# KiCad board IotFan.kicad_pcb (continued)
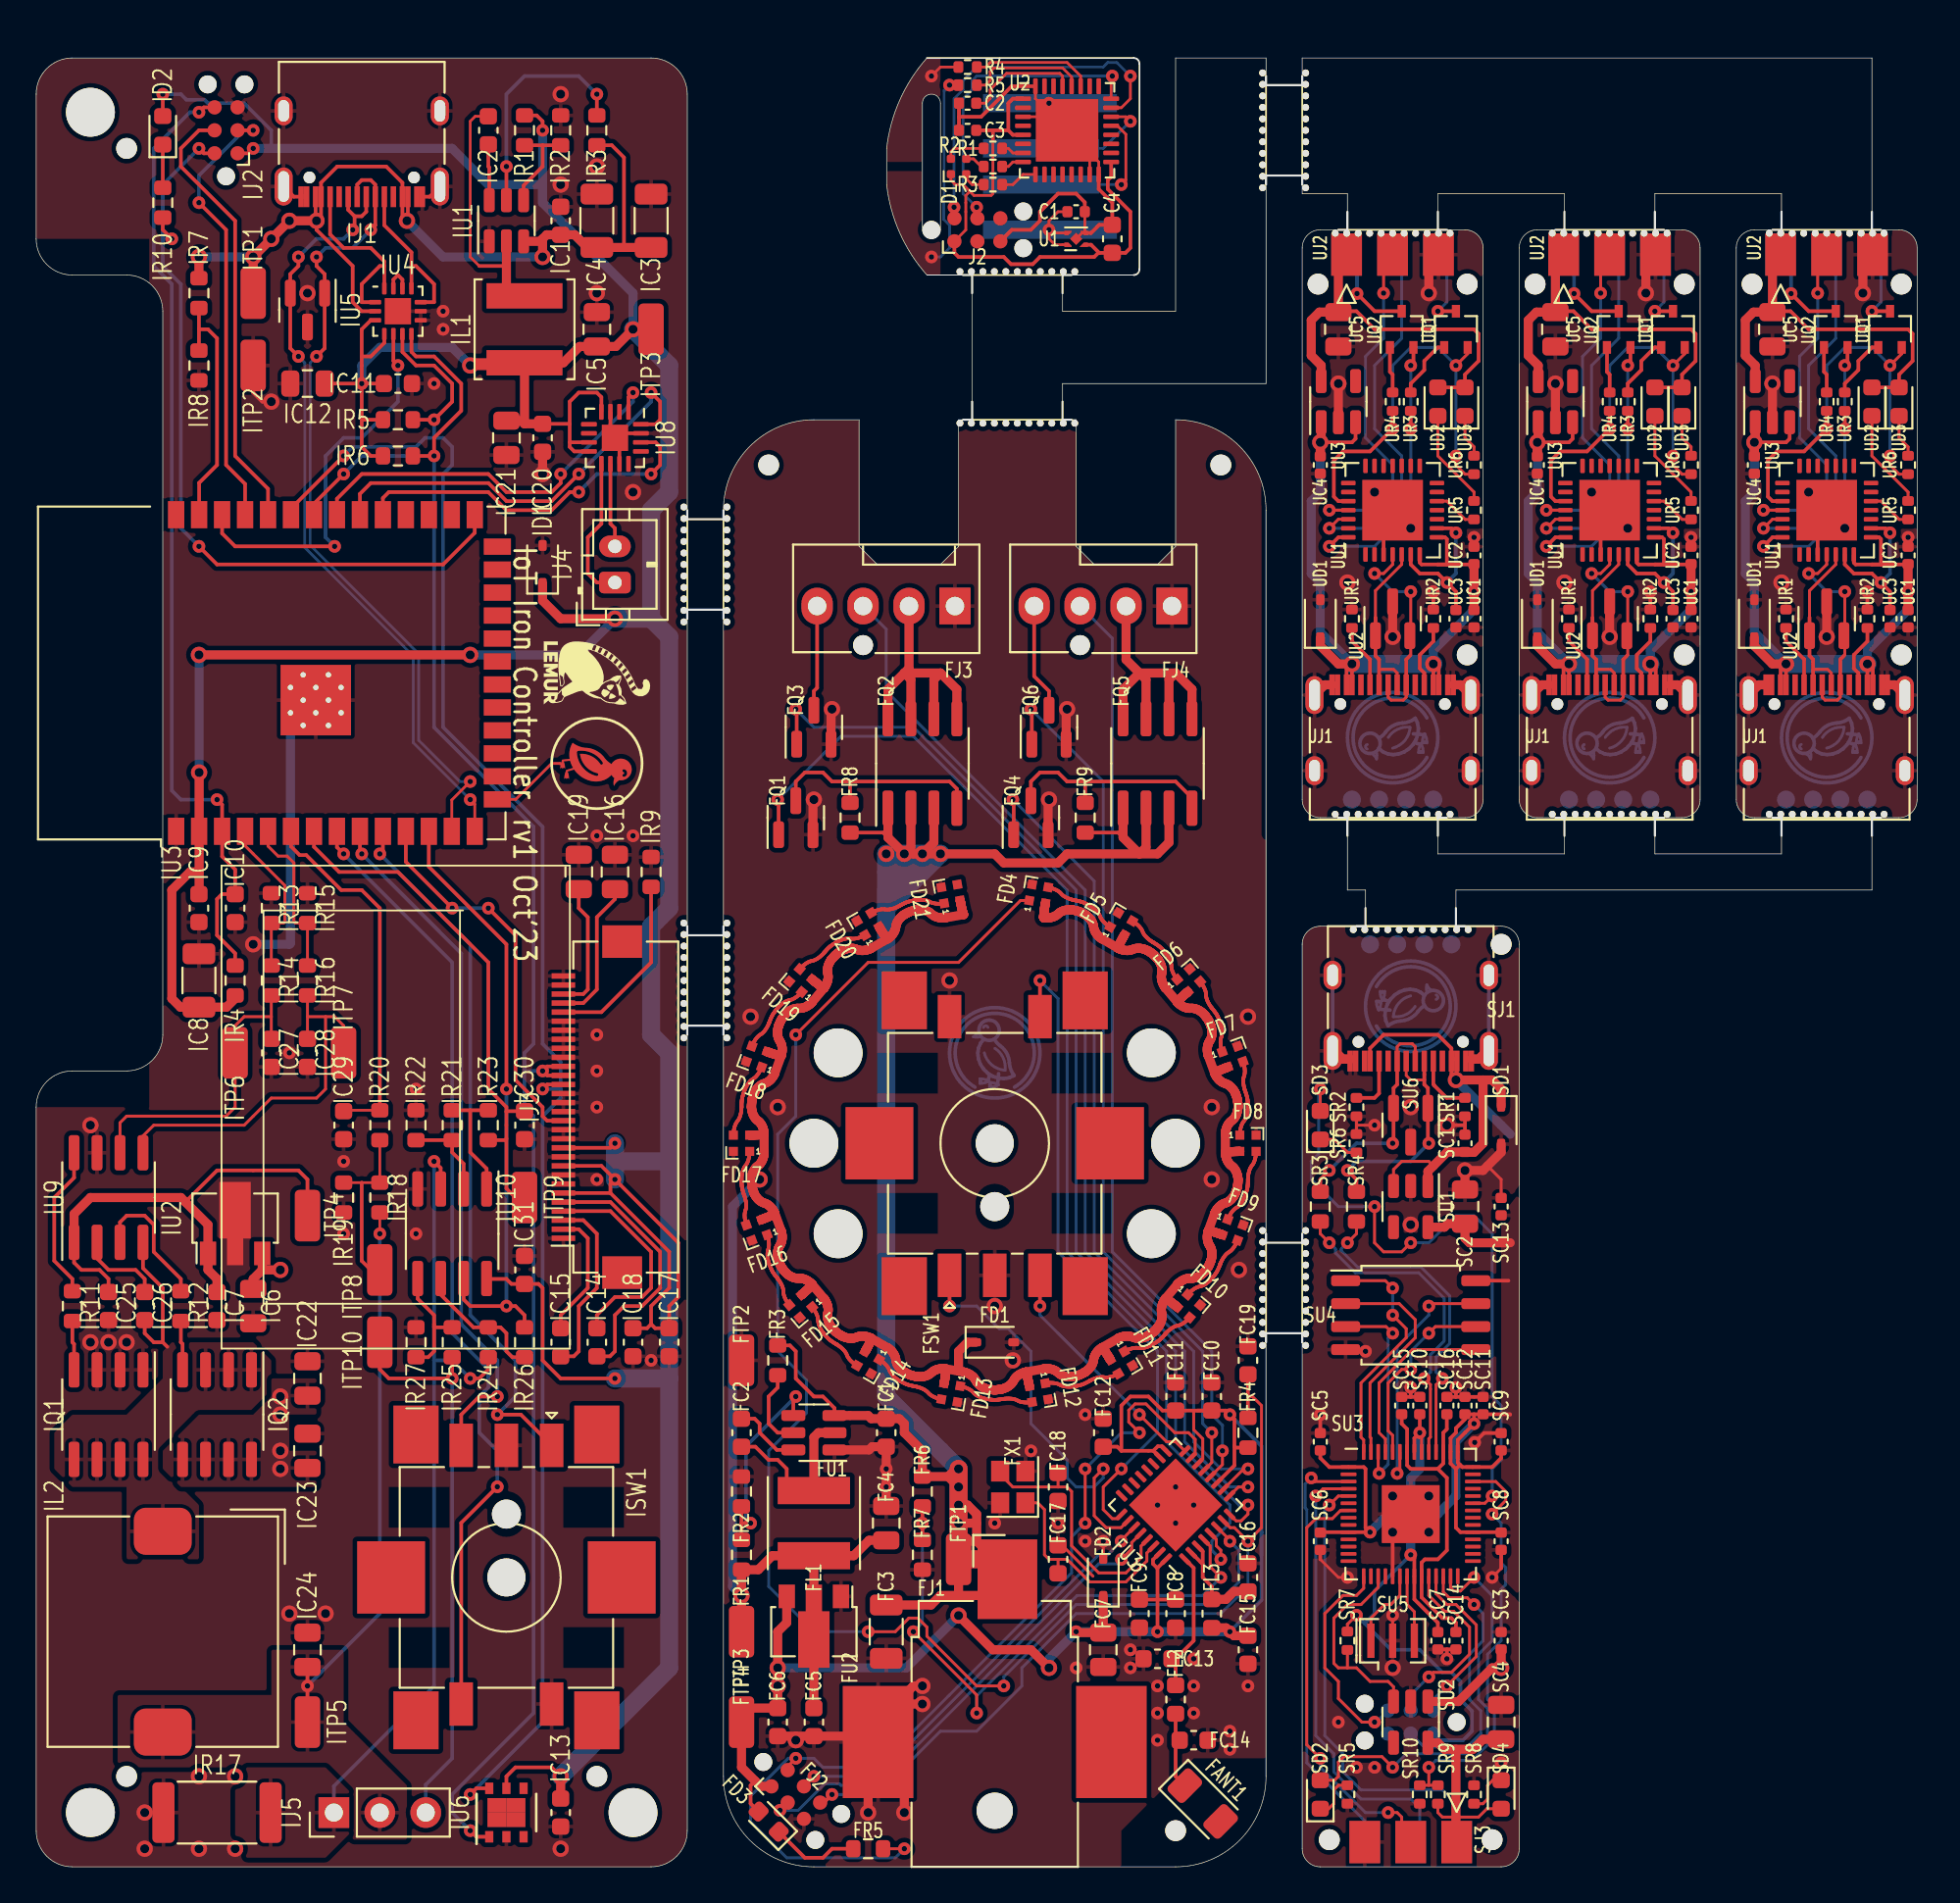
[diagram p0: board, top side]
## Routing (per net, layer and track width the routed paths; a pad name or vN(x,y) marks a point on that pad's centre or on a via; arc(x,y) is an arc through that point) (continued)
40.8,36.08 40.81,36.08 40.84,36.1 40.85,36.11 ; 40.25,40.5 40.25,39.49 40.25,39.45 40.25,39.43 40.24,39.41 40.24,39.39 40.23,39.34 40.23,39.31 40.22,39.28 40.21,39.22 40.2,39.19 40.19,39.16 40.17,39.12 40.16,39.09 40.15,39.06 40.13,39.02 40.11,38.99 40.09,38.96 40.07,38.93 40.05,38.89 40.02,38.86 40,38.83 39.97,38.8 39.93,38.78 39.87,38.72 39.83,38.7 39.81,38.67 39.78,38.64 39.75,38.61 39.73,38.57 39.71,38.54 39.69,38.51 39.67,38.48 39.65,38.44 39.64,38.41 39.63,38.38 39.61,38.34 39.6,38.31 39.59,38.28 39.58,38.22 39.57,38.19 39.57,38.16 39.56,38.11 39.56,38.09 39.55,38.07 39.55,38.03 39.55,37.97 39.55,37.96 39.55,37.94 39.55,37.91 39.55,37.89 39.55,37.88 39.55,37.86 39.55,37.85 39.56,37.74 39.56,37.72 39.56,37.7 39.57,37.63 39.58,37.62 39.58,37.59 39.59,37.56 39.59,37.55 39.6,37.53 39.61,37.5 39.61,37.47 39.62,37.45 39.63,37.41 39.64,37.39 39.66,37.34 39.66,37.32 39.67,37.31 39.67,37.3 39.67,37.29 39.68,37.27 39.69,37.26 39.69,37.24 39.7,37.23 39.72,37.19 39.72,37.18 39.74,37.15 39.76,37.11 39.78,37.08 39.81,37.03 39.83,37 39.85,36.98 39.88,36.95 39.9,36.92 39.93,36.9 39.95,36.87 39.98,36.85 40.01,36.82 40.04,36.8 40.08,36.78 40.11,36.76 40.14,36.74 40.18,36.72 40.22,36.71 40.26,36.69 40.3,36.68 40.34,36.67 40.38,36.65 40.42,36.63 40.45,36.61 40.48,36.59 40.51,36.56 40.54,36.54 40.57,36.52 40.6,36.49 40.62,36.46 40.67,36.41 40.69,36.38 40.71,36.36 40.73,36.33 40.76,36.28 40.78,36.26 40.79,36.23 40.82,36.17 40.83,36.14 40.84,36.13 40.85,36.11 40.85,36.11 ; 40.25,40.5 40.24,40.49 40.21,40.49 40.19,40.49 40.18,40.48 40.16,40.48 40.14,40.48 40.13,40.48 40.11,40.48 40.08,40.47 40.06,40.47 40.01,40.47 39.98,40.47 39.95,40.47 39.93,40.46 39.9,40.46 39.72,40.45 39.7,40.45 39.68,40.45 39.66,40.45 39.64,40.45 39.62,40.45 39.6,40.45 39.58,40.45 39.53,40.45 39.51,40.45 FD17.2 ; 63.09,47.81 63.11,47.79 63.12,47.77 63.14,47.76 63.15,47.75 63.17,47.73 63.19,47.72 63.21,47.7 63.23,47.68 63.25,47.66 63.28,47.64 63.33,47.61 63.36,47.59 63.39,47.57 63.42,47.56 63.45,47.54 63.49,47.53 63.52,47.51 63.56,47.5 63.59,47.49 63.63,47.48 63.67,47.47 63.71,47.47 63.75,47.46 63.8,47.46 63.88,47.47 63.92,47.46 63.97,47.46 64,47.45 64.04,47.45 64.08,47.44 64.12,47.43 64.16,47.41 64.19,47.4 64.22,47.39 64.26,47.37 64.29,47.35 64.32,47.33 64.38,47.3 64.4,47.28 64.43,47.26 64.45,47.25 64.47,47.23 64.49,47.21 64.51,47.19 64.53,47.18 64.54,47.17 64.55,47.15 64.58,47.12 64.6,47.1 64.61,47.09 64.65,47.04 64.66,47.03 64.67,47.01 64.72,46.94 64.73,46.93 64.74,46.92 64.75,46.91 64.76,46.89 64.77,46.88 64.78,46.85 64.8,46.83 64.81,46.82 64.81,46.81 64.83,46.78 64.85,46.74 64.86,46.71 64.87,46.69 64.88,46.66 64.89,46.63 64.91,46.59 64.94,46.53 64.95,46.5 64.95,46.49 64.96,46.47 64.97,46.44 64.97,46.41 64.98,46.39 64.99,46.35 65,46.32 65,46.26 65.01,46.2 65.01,46.17 65.01,46.14 65.01,46.1 65.01,46.06 65.01,46.03 65,45.99 65,45.95 64.99,45.92 64.98,45.88 64.97,45.84 64.96,45.8 64.94,45.77 64.92,45.73 64.91,45.69 64.88,45.66 64.86,45.62 64.84,45.58 64.82,45.55 64.81,45.51 64.79,45.47 64.78,45.43 64.77,45.39 64.77,45.36 64.76,45.32 64.76,45.28 64.75,45.25 64.75,45.21 64.75,45.17 64.75,45.14 64.76,45.08 64.77,45.02 64.77,44.99 64.78,44.94 64.78,44.92 64.79,44.88 64.8,44.87 64.8,44.85 64.81,44.83 65.15,43.89 ; 63.09,47.81 62.45,48.58 62.43,48.6 62.42,48.61 62.41,48.62 62.39,48.65 62.37,48.69 62.34,48.74 62.33,48.77 62.31,48.79 62.3,48.82 62.29,48.85 62.27,48.88 62.26,48.92 62.25,48.95 62.24,48.98 62.23,49.02 62.22,49.06 62.22,49.09 62.21,49.13 62.21,49.17 62.21,49.21 62.21,49.25 62.22,49.3 62.22,49.34 62.24,49.42 62.25,49.46 62.25,49.5 62.25,49.54 62.25,49.58 62.25,49.62 62.25,49.66 62.24,49.7 62.22,49.77 62.21,49.81 62.2,49.84 62.19,49.87 62.18,49.91 62.16,49.94 62.14,49.99 62.11,50.04 62.08,50.08 62.07,50.1 62.04,50.15 62.03,50.16 62.02,50.17 61.97,50.24 61.95,50.26 61.94,50.27 61.88,50.34 61.86,50.35 61.85,50.36 61.81,50.41 61.77,50.44 61.76,50.44 61.75,50.45 61.72,50.48 61.68,50.51 61.67,50.52 61.61,50.55 61.6,50.56 61.59,50.57 61.56,50.59 61.55,50.59 61.53,50.61 61.5,50.62 61.49,50.63 61.47,50.64 61.46,50.65 61.44,50.66 61.42,50.67 61.41,50.67 61.39,50.68 61.37,50.69 61.35,50.7 61.31,50.72 61.28,50.72 61.22,50.74 61.16,50.76 61.09,50.77 61.06,50.78 60.98,50.78 60.95,50.78 60.91,50.78 60.87,50.78 60.83,50.78 60.79,50.77 60.75,50.76 60.71,50.75 60.67,50.74 60.63,50.72 60.59,50.7 60.55,50.69 60.51,50.68 60.47,50.67 60.43,50.66 60.39,50.66 60.36,50.66 60.32,50.66 60.28,50.66 60.21,50.66 60.17,50.67 60.14,50.67 60.1,50.68 60.04,50.7 59.98,50.72 59.96,50.72 59.91,50.74 59.89,50.75 59.86,50.77 59.82,50.78 59.81,50.79 ; 63.09,47.81 63.1,47.83 63.11,47.85 63.13,47.87 63.14,47.88 63.16,47.9 63.22,47.96 63.25,47.99 63.27,48.01 63.31,48.05 63.33,48.06 63.37,48.1 63.43,48.15 63.44,48.17 63.51,48.23 63.53,48.24 63.54,48.26 63.56,48.27 63.57,48.28 63.59,48.29 63.6,48.3 63.63,48.33 63.65,48.35 63.65,48.35 63.67,48.36 ; 43.55,48.58 43.55,48.58 43.53,48.59 43.5,48.61 43.48,48.62 43.46,48.63 43.45,48.64 43.42,48.66 43.39,48.68 43.37,48.7 43.31,48.74 43.28,48.76 43.26,48.77 43.24,48.79 43.22,48.81 43.18,48.84 43.12,48.88 43.09,48.91 43.07,48.92 43.05,48.94 43.02,48.96 43.01,48.97 42.95,49.02 42.93,49.04 42.92,49.04 42.91,49.05 FD19.2 ; FL1.2 FU2.2 FC5.1 ; FL1.2 40.7,17.2 39.92,16.42 FR1.1 ; FL1.2 45.2,17.2 46.05,18.05 FC4.1 ; 42.91,32.19 42.9,32.17 42.89,32.15 42.87,32.13 42.86,32.12 42.84,32.1 42.78,32.04 42.75,32.01 42.73,31.99 42.69,31.95 42.67,31.94 42.63,31.9 42.57,31.85 42.56,31.83 42.49,31.77 42.47,31.76 42.46,31.74 42.44,31.73 42.43,31.72 42.41,31.71 42.4,31.7 42.37,31.67 42.35,31.65 42.35,31.65 42.33,31.64 ; 42.91,32.19 42.89,32.21 42.88,32.23 42.86,32.24 42.85,32.25 42.83,32.27 42.81,32.28 42.79,32.3 42.77,32.32 42.75,32.34 42.72,32.36 42.67,32.39 42.64,32.41 42.61,32.43 42.58,32.44 42.55,32.46 42.51,32.47 42.48,32.49 42.44,32.5 42.41,32.51 42.37,32.52 42.33,32.53 42.29,32.53 42.25,32.54 42.2,32.54 42.12,32.53 42.08,32.54 42.03,32.54 42,32.55 41.96,32.55 41.92,32.56 41.88,32.57 41.84,32.59 41.81,32.6 41.78,32.61 41.74,32.63 41.71,32.65 41.68,32.67 41.62,32.7 41.6,32.72 41.57,32.74 41.55,32.75 41.53,32.77 41.51,32.79 41.49,32.81 41.47,32.82 41.46,32.83 41.45,32.85 41.44,32.86 41.42,32.88 41.4,32.9 41.39,32.91 41.35,32.96 41.34,32.97 41.33,32.99 41.3,33.03 41.28,33.06 41.27,33.07 41.26,33.08 41.25,33.09 41.24,33.11 41.23,33.12 41.22,33.15 41.2,33.17 41.19,33.18 41.19,33.19 41.17,33.22 41.15,33.26 41.14,33.29 41.13,33.31 41.12,33.34 41.11,33.37 41.09,33.41 41.07,33.45 41.06,33.48 41.05,33.5 41.05,33.51 41.04,33.53 41.03,33.56 41.03,33.59 41.02,33.61 41.01,33.65 41,33.68 41,33.74 40.99,33.8 40.99,33.83 40.99,33.86 40.99,33.9 40.99,33.94 40.99,33.97 41,34.01 41,34.05 41.01,34.08 41.02,34.12 41.03,34.16 41.04,34.2 41.06,34.23 41.08,34.27 41.09,34.31 41.12,34.34 41.14,34.38 41.16,34.42 41.18,34.45 41.19,34.49 41.21,34.53 41.22,34.57 41.23,34.61 41.23,34.64 41.24,34.68 41.24,34.72 41.25,34.75 41.25,34.79 41.25,34.83 41.25,34.86 41.24,34.92 41.23,34.98 41.23,35.01 41.22,35.06 41.22,35.08 41.21,35.12 41.2,35.13 41.2,35.15 40.85,36.11 ; 64.81,35.17 64.81,35.17 64.82,35.17 64.83,35.17 64.84,35.17 64.88,35.16 64.89,35.16 64.9,35.16 64.92,35.15 64.93,35.15 64.95,35.14 64.98,35.14 65,35.13 65.03,35.12 65.05,35.12 65.07,35.11 65.1,35.1 65.12,35.09 65.2,35.07 65.22,35.06 65.27,35.05 65.3,35.04 65.32,35.03 65.36,35.02 65.42,35 65.46,34.98 65.47,34.98 65.49,34.97 65.52,34.96 65.53,34.96 65.56,34.95 FD9.2 ; 64.81,35.17 64.8,35.15 64.8,35.13 64.79,35.12 64.78,35.08 64.78,35.03 64.77,35.01 64.76,34.95 64.76,34.92 64.75,34.86 64.75,34.83 64.75,34.79 64.75,34.75 64.76,34.72 64.76,34.68 64.77,34.64 64.77,34.61 64.78,34.57 64.79,34.53 64.81,34.49 64.82,34.45 64.84,34.42 64.86,34.38 64.88,34.34 64.91,34.31 64.92,34.27 64.94,34.23 64.96,34.2 64.97,34.16 64.98,34.12 64.99,34.08 65,34.05 65,34.01 65.01,33.97 65.01,33.94 65.01,33.9 65.01,33.86 65.01,33.83 65.01,33.8 65,33.74 65,33.68 64.99,33.65 64.98,33.61 64.97,33.59 64.97,33.56 64.96,33.53 64.95,33.51 64.94,33.49 64.94,33.47 64.92,33.43 64.91,33.41 64.89,33.37 64.88,33.34 64.87,33.31 64.86,33.29 64.83,33.23 64.82,33.21 64.81,33.19 64.81,33.18 64.8,33.17 64.78,33.15 64.77,33.12 64.76,33.11 64.75,33.09 64.74,33.08 64.73,33.07 64.72,33.06 64.67,32.99 64.66,32.97 64.62,32.93 64.6,32.9 64.58,32.88 64.56,32.86 64.55,32.85 64.54,32.83 64.53,32.82 64.51,32.81 64.49,32.79 64.47,32.77 64.45,32.75 64.43,32.74 64.4,32.72 64.38,32.7 64.32,32.67 64.29,32.65 64.26,32.63 64.22,32.61 64.19,32.6 64.16,32.59 64.12,32.57 64.08,32.56 64.04,32.55 64,32.55 63.97,32.54 63.92,32.54 63.88,32.53 63.8,32.54 63.75,32.54 63.71,32.53 63.67,32.53 63.63,32.52 63.59,32.51 63.56,32.5 63.52,32.49 63.49,32.47 63.45,32.46 63.42,32.44 63.39,32.43 63.36,32.41 63.33,32.39 63.28,32.36 63.25,32.34 63.23,32.32 63.21,32.3 63.19,32.28 63.17,32.27 63.15,32.25 63.14,32.24 63.12,32.23 63.11,32.21 63.09,32.19 62.45,31.42 ; 62.45,31.42 62.45,31.42 62.47,31.41 62.5,31.39 62.52,31.38 62.54,31.37 62.55,31.36 62.58,31.34 62.61,31.32 62.63,31.3 62.69,31.26 62.72,31.24 62.74,31.23 62.76,31.21 62.78,31.19 62.82,31.16 62.88,31.12 62.91,31.09 62.93,31.08 62.95,31.06 62.98,31.04 62.99,31.03 63.05,30.98 63.07,30.96 63.08,30.96 63.09,30.95 FD10.2 ; 59.81,50.79 59.81,50.81 59.82,50.84 59.83,50.85 59.83,50.86 59.84,50.89 59.85,50.91 59.86,50.92 59.88,50.97 59.9,51.02 59.91,51.04 59.92,51.06 59.94,51.09 59.96,51.14 59.98,51.18 60.01,51.23 60.02,51.25 60.03,51.27 60.04,51.29 60.05,51.31 60.08,51.36 60.11,51.41 60.14,51.47 60.15,51.48 60.16,51.51 ; FR1.1 v1(39,15) ; FR1.1 FTP3.1
  Back w0.5: v1(39,15) 38.5,15.5 38.5,36.5 v1(40,38)
Fv12: length 133.6
  Front w0.2: FR3.1 41.67,28.83 42,28.5 42,27 43,26 43.5,26 44.14,25.36 FU1.3 ; 47.09,56.91 46.83,57.17 FR8.1 ; 60.09,56.91 59.83,57.17 FR9.1
  Front w0.5: FC3.1 49.47,14.47 50,15 51,15 ; 52.5,14 52.5,15 ; 52.5,15 51,15 ; 52.5,15 52.5,16 ; 50.42,21.58 50.85,22 v1(51,22) v1(51,21) ; 50.42,21.58 v1(51,21) ; 50.42,21.58 FR6.1 49,23 48,24 48,24.5 47.72,24.78 FC1.1 46.17,24.78 46,24.95 FU1.3 ; FQ2.1 47.09,56.91 v1(48,56) ; 51,15 v1(51,19) ; FTP1.1 52.5,17 ; v1(48,56) 48.36,56.36 FQ2.2 ; v1(48,56) 48.5,56 ; 61,56 61.36,56.36 FQ5.2 ; 61,56 60.09,56.91 FQ5.1 ; 61,56 57,56 56.5,55.5 53.5,55.5 53,56 48.5,56 ; 61,56 62,56 62.64,56.64 FQ5.3 ; v1(51,19) 52,19 ; v1(51,19) v1(51,20) ; v1(51,21) v1(51,20) ; v1(51,20) 51.5,20 52,19.5 52,18 ; 48.5,56 v1(49,56) 49.64,56.64 FQ2.3 ; 52,18 51,18 ; 52,18 53,17 ; FJ1.1 52.9,15.9
  Front w1: 52,17 FTP1.1 v1(51,22)
  Back w1: 47,55 v1(48,56) ; 47,55 v1(47,56) v1(50,56) 47,53 ; 47,55 47,53 ; 47,53 47,26 v1(51,22) v1(51,19) ; 47,53 47,54 v1(49,56) ; v1(51,21) v1(51,20)
Fv12_sense.output: length 33.6
  Front w0.16: v2(48.5,13) 52,9.5 v2(52,8.5) ; v2(65.5,16) 64.91,16.59 64.91,17.74 FU3.4
  Front w0.2: FR7.1 FR6.2
  Back w0.16: v2(48.5,13) 49,13.5 v2(49,19) ; v2(52,8.5) 52,9.45 57.55,15 64.5,15 v2(65.5,16)
Iconv.sw.driver.ic.hb: length 4.7
  Front w0.2: IU9.2 3.37,33.64 4,33 5.5,33 6,32.5 IC26.1
Iconv.sw.high_gate_res.a: length 7.6
  Front w0.2: IU9.3 4.63,35.64 5,36 6,36 6.5,35.5 6.5,34 8,32.5 IR12.1
Iconv.sw.high_gate_res.b: length 2.7
  Front w0.2: IR12.2 8,29 8.09,28.91 IQ2.4
Iconv.sw.low_gate_res.a: length 8.5
  Front w0.2: IR11.1 2,32.5 1,33.5 1,37 2.09,38.09 IU9.8
Iconv.sw.low_gate_res.b: length 2.7
  Front w0.2: IR11.2 2,29 2.09,28.91 IQ1.4
Iconv.sw.out: length 8.3
  Front w0.2: 7,29 7.25,28.75 ; 7,29 6.5,29 6,29.5 IC26.2 ; 7,29 7,32 5.91,33.09 IU9.4
Iconv_out: length 30.9
  Front w0.15: IR18.1 v2(19,35)
  Front w0.2: ITP5.1 IC24.1
  Back w0.2: v2(15,10) 19,14 v2(19,35)
Ienc.a: length 39.5
  Front w0.2: v2(19,56) 19.17,56.17 IU3.10 ; v2(25.5,25) 26.8,25 ISW1.A
  Back w0.2: v2(19,56) 24,51 24,30.5 26.5,28 26.5,26 v2(25.5,25)
Ienc.b: length 38.5
  Front w0.2: v2(25.5,26) 24.5,26 23.5,25 ISW1.B ; IU3.9 17.9,56.1 v2(18,56)
  Back w0.2: v2(25.5,26) 25.5,28 23.5,30 23.5,50.5 v2(18,56)
Ienc.sw: length 53.2
  Front w0.2: v2(17,56) 16.63,56.37 IU3.8 ; ISW1.S1 23.5,19.01 v2(25.5,21.01)
  Back w0.2: v2(25.5,21.01) 25.5,23 25.5,23 24.5,24 24.5,26 25,26.5 25,27.5 23,29.5 23,50 v2(17,56)
Ignd: length 24
  Front w0.2: IJ1.A12 14.24,92.33 IJ1.S1 ; IU8.15 32.5,79.25 ; v1(13,81) 12.5,81 12,81.5 ITP2.1 ; IU8.3 31.75,79.5 ; IJ1.A1 21.75,92.33 IJ1.S1 ; IU8.11 32.25,78.5
  Front w0.5: v1(28,77) IC20.2
  Back w0.5: IU3.41 14.06,51.06 14,51 v1(12,51)
  vias: v1(3,41) v1(3,29) v1(4,29) v1(5,29) v1(6,3) v1(6,1) v1(9,5) v1(9,1) v1(11,5) v1(11,1) v1(14,14) v1(15,87) v1(16,14) v1(29,98) v1(29,93) v1(29,1) v1(31,94) v1(31,87) v1(33,76) v2(14,45) v2(17,39) v2(17,35) v2(21,43) v2(21,35) v2(22,82) v2(22.5,86) v2(22.5,85) v2(31,57) v2(31,46) v2(31,44) v2(31,42) v2(31,38) v2(33,57) v2(34,28)
Ihigh_pull.io: length 9
  Front w0.16: IR16.1 IR15.2 14.33,52.17 14.25,52.25 14.25,55.5 13.88,55.88 13.38,55.88 12.82,56.43 IU3.5
Ihigh_rc.output: length 22.2
  Front w0.16: 15,47 IC28.1 ; 15,47 IR16.2 ; 15,47 16,47 ; 16,47 16,43 15.5,42.5 13,42.5 11.5,41 6.5,41 5.91,40.41 IU9.5 ; 16,47 16.5,47 17,46.5 ITP7.1
Ii2c_pull.i2c.scl: length 102.7
  Front w0.2: v2(24,4) 24.34,4.34 IU6.6 ; v2(17,78) 14.09,75.09 ; IR5.2 v2(22,80) 23,81 23,82 22,83 21,83 20.25,83.75 IU4.6 ; IJ3.18 28.25,43.25 v2(28,43)
  Back w0.2: 29,43 29,42.5 28,41.5 28,8 v2(24,4) ; 29,43 29,44.5 28,45.5 28,57.5 22.5,63 22.5,77 23,77.5 23,78.5 22.5,79 22,79 ; 29,43 v2(28,43) ; 22,79 v2(22,80) ; 22,79 21.5,79 21,78.5 17.5,78.5 v2(17,78)
Ii2c_pull.i2c.sda: length 104.2
  Front w0.2: IU6.1 24.34,1.66 v2(24,2) ; IR6.2 v2(22,78) 22,79 23.5,80.5 23.5,82 22,83.5 21,83.5 20.75,83.75 IU4.7 ; v2(17,77) 15.36,75.36 ; IJ3.20 28.25,44.25 v2(28,44) 28.25,43.75 IJ3.19
  Back w0.2: v2(24,2) 23,3 23,4 27.5,8.5 27.5,41.5 27,42 27,44.5 ; 27,44.5 27,45 27.5,45.5 27.5,57.5 22,63 v2(22,78) 18,78 v2(17,77) ; 27,44.5 27,44 v2(28,44)
Iifilt.output: length 6.7
  Front w0.2: IR21.1 24,41.83 ; 24,41.83 IR23.1 ; 24,41.83 24,39.5 24.91,38.59 IU10.1
Iisense.pwr_out: length 44.3
  Front w0.2: v2(24,27) 24.5,27 25,27.5 IR24.1 ; IU10.3 22.36,38.64 v2(22,39)
  Back w0.2: IJ5.1 16.46,4.46 22,10 22,28 ; 22,28 v2(22,39) ; 22,28 23,28 v2(24,27)
Iledr.res.a: length 2.4
  Front w0.2: ID2.1 IR10.1
Ilow_pull.io: length 9
  Front w0.16: IU3.4 11.55,56.45 13.75,54.25 13.75,52.25 13.67,52.17 IR13.2 IR14.1
Ilow_rc.output: length 17.5
  Front w0.16: 13,47 IC27.1 ; 13,47 IR14.2 ; 13,47 11.5,47 11,46.5 ITP6.1 11,42 10.5,41.5 5,41.5 4.63,41.14 IU9.6
Imcu.program_boot_node: length 43.9
  Front w0.2: IR10.2 7,90.5 v2(7.5,90) ; IJ2.2 9.27,94.73 v2(9,95) ; IU3.27 24.25,73.75 22.5,72 10,72 v2(9,73)
  Back w0.2: v2(7.5,90) 7,90 ; 7,90 7,93 v2(9,95) ; 7,90 7,88.5 8,87.5 8,74 v2(9,73)
Imcu.program_en_node: length 53.8
  Front w0.2: IJ2.6 9.27,97.27 v2(9,97) ; IR4.2 11,50.5 10,51.5 10,53.5 10.27,53.78 IC10.1 11,55.14 10.28,55.86 IU3.3 10.28,58.72 v2(10,59)
  Back w0.2: v2(9,97) 8.5,97 6.5,95 6.5,88.5 7.5,87.5 7.5,59.5 8,59 v2(10,59)
Imcu.program_uart_node.a_tx: length 24.6
  Front w0.2: IU3.37 11.55,76.45 10.5,77.5 10.5,90.5 v2(9,92) ; 11.27,96 v2(12,96)
  Back w0.2: v2(9,92) 9,93.5 11.5,96 v2(12,96)
Imcu.program_uart_node.b_tx: length 24.7
  Front w0.2: IU3.36 12.82,76.18 11,78 11,91 8,94 8,95 9,96 10,96
Ioled.c1_cap.neg: length 14.7
  Front w0.2: IC14.2 31.72,28.22 32,28.5 32,30.5 32.5,31 33.5,31 34.5,32 34.5,34 31.75,36.75 IJ3.5
Ioled.c1_cap.pos: length 12.1
  Front w0.2: IJ3.4 31.75,36.25 34,34 34,32 33.5,31.5 32,31.5 31,30.5 IC14.1
Ioled.c2_cap.neg: length 10.2
  Front w0.2: IC15.2 29.72,28.22 30,28.5 30,31 31,32 31,35 30.25,35.75 IJ3.3
Ioled.c2_cap.pos: length 7.2
  Front w0.2: IJ3.2 30,35.25 30.5,34.75 30.5,32 29,30.5 IC15.1
Ioled.device.vcc: length 7.2
  Front w0.2: IJ3.28 30.25,48.25 30.5,48.5 30.5,52.5 30,53 IC19.1
Ioled.device.vcomh: length 8.1
  Front w0.2: IJ3.27 30.25,47.75 31,48.5 31,52.5 32,53.5 IC16.1
Ioled.iref_res.a: length 10.2
  Front w0.2: IJ3.26 31.25,47.25 34,50 IR9.1
Ioled.reset: length 21.3
  Front w0.2: v2(25,53) 26.5,51.5 26.5,43.5 28,42 28,41.5 28.25,41.25 IJ3.14 ; IU3.11 20.44,55.56 v2(23,53)
  Back w0.2: v2(23,53) v2(25,53)
Ipacked_opamp.inn.0: length 5
  Front w0.2: IR22.1 IR21.2 23,39.5 23.64,38.86 IU10.2
Ipacked_opamp.inn.1: length 7.5
  Front w0.2: IR26.2 26.33,28.17 26,28.5 26,29.5 25.67,29.83 IR24.2 24.17,29.83 22.36,31.64 IU10.6
Ipacked_opamp.inp.1: length 6.7
  Front w0.2: 22,30 22,30.5 21.09,31.41 IU10.5 ; 22,30 22,28.5 21.67,28.17 IR27.2 ; 22,30 22,29.83 IR25.2
Ipd.ic.vconn: length 1.7
  Front w0.2: IU4.12 20.25,87.75 20,88 19.75,87.75 IU4.13
Ipd.int: length 21.8
  Front w0.2: v2(20,83) 19.75,83.25 IU4.5 ; IU3.38 10.28,73.72 11,73 v2(16.5,73)
  Back w0.2: v2(20,83) 20,81 18,79 17,79 16,78 16,73.5 v2(16.5,73)
Ireg_3v3.boot_cap.neg: length 13.7
  Front w0.15: 24.5,88.5 24,89 24,96.5 24.28,96.78 IC2.2
  Front w0.2: 24.5,88.5 26,88.5
  Front w0.5: IU1.2 26,87
Ireg_3v3.boot_cap.pos: length 3.1
  Front w0.2: IC2.1 25,94 25.05,93.95 IU1.6
Ireg_3v3.en_res.b: length 12.9
  Front w0.2: IR3.2 v2(31,98) ; v2(26,94) IU1.5
  Back w0.2: v2(31,98) 30,99 27,99 26,98 v2(26,94)
Ireg_3v3.fb.output: length 5.5
  Front w0.2: IU1.4 26.95,92.95 28,94 28,95.17 ; 28,95.17 IR1.2 ; 28,95.17 IR2.1
Ispk_drv.i2s.sck: length 23.6
  Front w0.2: IU8.16 34.25,79.75 34.5,80 34.5,81 v2(34,81.5) ; v2(30,77) 28.5,75.5 26.01,75.5 25.01,76.5 18.5,76.5 17.9,75.9 IU3.32
  Back w0.2: v2(30,77) 34,81 v2(34,81.5)
Ispk_drv.i2s.sd: length 22.3
  Front w0.2: v2(33,81.5) 32.75,81.25 IU8.1 ; IU3.33 16.63,75.63 18,77 25,77 26,76 28.5,76 29,76.5 v2(29,77)
  Back w0.2: v2(29,77) 33,81 v2(33,81.5)
Ispk_drv.i2s.ws: length 20
  Front w0.2: v2(30,76) 29.5,76 28.5,75 26,75 25,76 19.5,76 19.17,75.67 IU3.31 ; IU8.14 34.25,78.75 34.5,78.5 34.5,77.5 v2(34,77)
  Back w0.2: v2(34,77) 31,77 v2(30,76)
Ispk_drv.out.a: length 8.1
  Front w0.2: IJ4.1 31,71 30.5,71.5 30.5,73.5 31.25,74.25 IU8.9
Ispk_drv.out.b: length 4.7
  Front w0.2: IU8.10 31.75,74.25 32,74 IJ4.2
Itamp.input_positive: length 31.5
  Front w0.2: IR25.1 v2(23,27) 19.5,27 19,27.5 ITP10.1
  Back w0.2: IJ5.3 21.54,4.54 23,6 v2(23,27)
Itamp.output: length 33.6
  Front w0.2: IU3.12 21.71,55.29 26,51 v2(26,43) ; IU10.7 23.64,31.36 24,31 v2(26,31) 26.5,31 27,30.5 IR26.1
  Back w0.2: v2(26,31) v2(26,43)
Itouch_0: length 4.3
  Front w0.15: IU3.15 26.52,59.02 28.5,61 28.95,61 28.98,60.98
Itp_i.output: length 29.3
  Front w0.2: 26,40.25 26,37.5 26.5,37 ITP9.1 ; 26,40.25 25.92,40.17 IR23.2 ; 26,40.25 26,41.75 ; IC30.1 26.03,41.78 26,41.75 ; IU3.7 15.36,56.39 16.75,55 20,55 25,50 25,43 26,42 26,41.75
Iusb.A5: length 9.1
  Front w0.2: 20.75,88.5 20.75,89.25 19.25,90.75 IJ1.A5 ; 20.75,88.5 21,88.5 22,87.5 22,86.5 IU4.10 ; 20.75,88.5 IU4.11
Iusb.B5: length 10.6
  Front w0.2: 19.25,88.5 19.25,88.75 18.5,89.5 17,89.5 16.25,90.25 IJ1.B5 ; 19.25,88.5 19,88.5 18,87.5 18,86.5 IU4.1 ; 19.25,88.5 IU4.14
Iusb_chain_0.d_N: length 44.8
  Front w0.15: IU3.13 22.98,58.98 v2(24,60)
  Front w0.2: v2(15.5,83.5) 15.95,83.95 IU5.1 15.95,88.05 15.5,88.5 v2(15.5,89) ; v2(18.5,90.5) 18.75,90.75 IJ1.B7 18.75,93 18.5,93.25 18,93.25 17.75,93 IJ1.A7
  Back w0.15: v2(24,60) 23.42,60 21.15,62.27 21.15,67.06 15.15,73.06 15.15,83.15 v2(15.5,83.5)
  Back w0.2: v2(15.5,89) 16,89.5 17.5,89.5 v2(18.5,90.5)
Iusb_chain_0.d_P: length 43.4
  Front w0.15: IU3.14 24.25,58.75 v2(24,59)
  Front w0.2: 17.61,91.25 18,91.25 18.25,91.5 IJ1.A6 ; 17.61,91.25 17.25,91.6 IJ1.B6 ; 17.61,91.25 17.61,90.6 v2(17.5,90.5) ; v2(14.5,89) 14.5,88.5 14.05,88.05 IU5.2 14.05,83.95 v2(14.5,83.5)
  Back w0.15: v2(24,59) 20.85,62.15 20.85,66.94 14.85,72.94 14.85,83.15 v2(14.5,83.5)
  Back w0.2: v2(14.5,89) 15.5,90 17,90 v2(17.5,90.5)
Iv3v3: length 289.4
  Front w0.2: 29.5,79.75 29.5,81 30,81.5 31,81.5 31.25,81.25 IU8.4 ; 29.5,79.75 29.47,79.78 IC20.1 ; 29.5,79.75 29.5,78.75 ; IU4.4 19.25,84.25 18.5,83.5 18,83.5 ; IR1.1 27.67,96.83 28,96.5 v2(28,96) ; IJ3.11 31.75,39.75 v2(32,40) ; v2(7,98) ID2.2 ; 18,83.5 v2(18,82) ; 18,83.5 18,85 18.5,85.5 ; v2(18,82) IC12.1 ; v2(18,82) 18,80 ; v2(18,82) IC11.1 ; IC18.1 33.78,29.78 34,30 ; IU8.8 29.75,78.25 29.5,78.5 29.5,78.75 ; 18,80 18,78.5 18.5,78 IR6.1 ; 18,80 IR5.1 ; v2(32,38) 31.75,37.75 31.75,37.25 ; 34,30 34.22,29.78 IC17.1 35,31 35.5,31.5 35.5,34.5 31.25,38.75 IJ3.9 ; 34,30 34,31 35,32 35,34 31.75,37.25 ; IU8.7 29.5,78.75 ; 31.75,37.25 IJ3.6 ; 11.27,94.73 11.73,94.73 v2(12,95) ; v1(29,5) 28.5,5.5 26.5,5.5 26,5 IU6.5 ; v2(32,27) 29,27 28,28 28,32 27.78,32.22 IC31.1 26.28,32.22 26,32.5 24.93,32.5 IU10.8
  Front w0.5: v1(9,67) v1(24,67) ; v1(9.01,60.5) IU3.2 9.01,53.78 ; 27,79.78 IC20.1 ; 27,79.78 26.83,79.95 IC21.1 ; 27,79.78 IL1.2 ; IL1.2 29.15,83.15 30.05,84.05 IC5.1 32.05,84.05 v1(33,85) ITP3.1 ; IL1.2 24.15,83.15 v1(24,83) 25.85,83 ; IC13.1 v1(29,5) ; v1(32,69) 29,69 28,70 ID1.1 ; 11,48 10.52,47.53 IC8.1 7.98,47.53 7.5,48 7.5,54 8.5,55 9.01,55
  Back w0.2: 13,95 13,96 11.5,97.5 9.5,97.5 9.31,97.69 8.31,97.69 8,98 v2(7,98)
  Back w0.5: 28,92 v2(28,96) ; 28,92 33,87 v1(33,85) ; 28,92 28,93 25,93 23,95 v2(12,95) ; v1(32,69) 30,67 v1(24,67) ; v1(9.01,60.5) 9.01,66.99 v1(9,67) ; v1(24,83) 23,84 19,84 18,83 v2(18,82)
  Back w1: v2(32,38) 32,39 ; 32,39 v2(32,40) ; 32,39 35,39 ; 34,69 v1(32,69) ; 34,69 35,68 35,53 34,52 34,46 35,45 35,39 ; 34,69 34,75 35,76 35,83 v1(33,85) ; 35,27 35,11 v1(29,5) ; 35,27 35,39 ; 35,27 v2(32,27)
Ivfilt.output: length 20.3
  Front w0.15: IR20.2 17.05,41.83
  Front w0.2: IU3.6 14.09,56.41 14.57,55.93 14.93,55.93 16.87,54 18,54 19,53 IR20.2
Ivgate: length 27.7
  Front w0.2: ITP4.1 15,38 14.5,38.5 10,38.5 8.25,36.75 ; IU9.1 2.09,33.41 2.5,33 3.5,33 4,32.5 IC25.1
  Front w0.5: IU9.1 2.09,36.09 3,37 8,37 9.5,35.5 IU2.1 9.5,33 10,32.5 IC7.1
Ivsense.output: length 9.9
  Front w0.15: IR19.1 IR18.2 IR20.1
  Front w0.2: ITP8.1 18.5,33 18,33.5 18,37.83
Ivusb: length 55.9
  Front w0.2: IR3.1 31.83,95.17 32.5,94.5 32.5,89.53 ; IJ1.A4 20.55,91.05 v1(20.5,91) 20.25,91.25 IJ1.B9 20.25,93.1 19.36,94 16.65,94 15.75,93.1 IJ1.B4 15.75,91.25 v1(15.5,91) ; v1(15.5,91) 15.5,90.5 17.5,88.5 17.5,86.5 18,86 IU4.2 ; v1(15.5,91) 15.45,91.05 IJ1.A9
  Front w0.5: IU1.3 27.86,89.86 28,90 ; 28,90 v1(28,89) ; 28,90 28.22,90.22 IC1.1 29.78,90.22 30.47,89.53 ; IC3.1 IC4.1 ; ITP1.1 v1(12,89) v1(14,91) v1(15.5,91) ; v1(9,89) IR7.1 ; IU2.3 12.5,33 ; 12.5,33 v1(13.5,33) ; 12.5,33 12,32.5 IC6.1
  Back w0.5: v1(28,89) 22.5,89 v1(20.5,91) ; v1(12,89) v1(9,89)
  vias: v1(13,90) v1(13.5,26) v1(13.5,25) v1(13.5,23) v1(13.5,22)
Ivusb_sense.output: length 13.7
  Front w0.2: 9,85 9.5,85 10,84.5 10,77.5 9.01,76.51 IU3.39 ; 9,85 IR7.2 ; 9,85 IR8.1
mcu.swd_node.swclk: length 17.3
  Front w0.15: U2.24 59.44,98.94 v2(59.5,99) ; v2(52,91.75) 52.04,91.71 J2.4
  Back w0.15: v2(59.5,99) 52,99 51.75,98.75 51.75,98.25 51.25,97.75 51.25,92.5 v2(52,91.75)
mcu.swd_node.swdio: length 20.3
  Front w0.15: v2(50.75,91.75) 50.77,91.73 J2.2 ; v2(60.5,99) 60.5,97.75 60,97.25 U2.23
  Back w0.15: v2(60.5,99) 59.75,99.75 59.25,99.75 59,99.5 52,99.5 51.25,98.75 51.25,98.25 50.75,97.75 v2(50.75,91.75)
rgb.blue_res.a: length 1.3
  Front w0.15: D1.4 51.42,93.33 51.75,93 R3.1
rgb.green_res.a: length 1.1
  Front w0.15: D1.3 51.83,94.42 52.25,94 R2.1
rgb.red_res.a: length 2.3
  Front w0.15: D1.2 50.58,94.83 50.75,95 R1.1
rgb.signals.blue: length 2.1
  Front w0.15: R3.2 54,93 54.56,93.56 U2.9
rgb.signals.green: length 1.3
  Front w0.15: U2.8 54,94.25 53.75,94 R2.2
rgb.signals.red: length 1.3
  Front w0.15: R1.2 53.75,95 54,94.75 U2.7
Sen_pull.io: length 11.9
  Front w0.16: 72.5,11 73,11 73.75,10.25 74.75,10.25 75.05,9.95 SU2.3 ; 72.5,11 72,11 71.75,11.25 71.75,13.75 72.5,14.5 73.25,14.5 74.2,15.45 SU3.17 ; 72.5,11 SR7.2
Sled_target.res.a: length 2.5
  Front w0.16: SD4.1 80.54,4.79 80.25,4.5 80.25,3.75 79.99,3.49 SR8.1
Sled_tgt.res.a: length 2.5
  Front w0.16: SD2.1 71.46,3.21 71.75,3.5 71.75,4.25 72.01,4.51 SR5.1
Sled_tgt.signal: length 23.2
  Front w0.16: SD2.2 71.79,4.79 72,5 72,5.79 72.3,6.09 74.41,6.09 v2(75,5.5) ; SU3.27 78.2,15.42 78.38,15.25 78.75,15.25 v2(79.5,16)
  Back w0.16: v2(75,5.5) 75.75,6.25 79.25,6.25 80.25,7.25 80.25,8.75 79.75,9.25 79.75,11.75 80.5,12.5 80.5,15 v2(79.5,16)
